# Altium PCB senocore_pcb.PcbDoc
Units mm, origin at the board's own origin, x right, y up, seen from the top; angles counter-clockwise.
Board outline 66.01 x 46.01 mm, 2 copper layers (Top Layer, Bottom Layer), stack 1.481 mm thick; 91 components, 74 nets, 361 pads, 0 vias.
Unrouted connection lines stored in the file: 238.
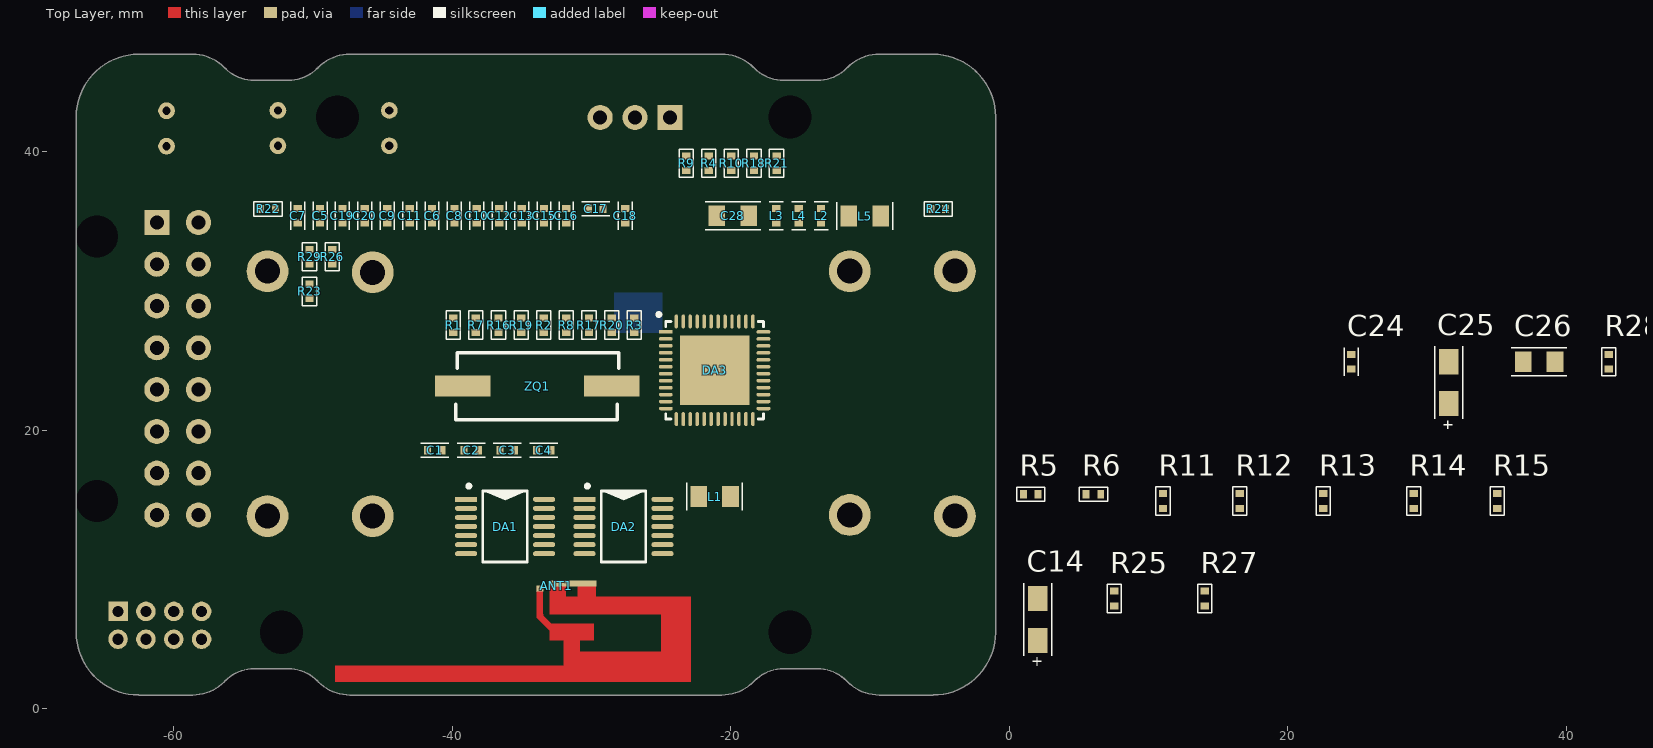
[diagram p0: Top Layer view]
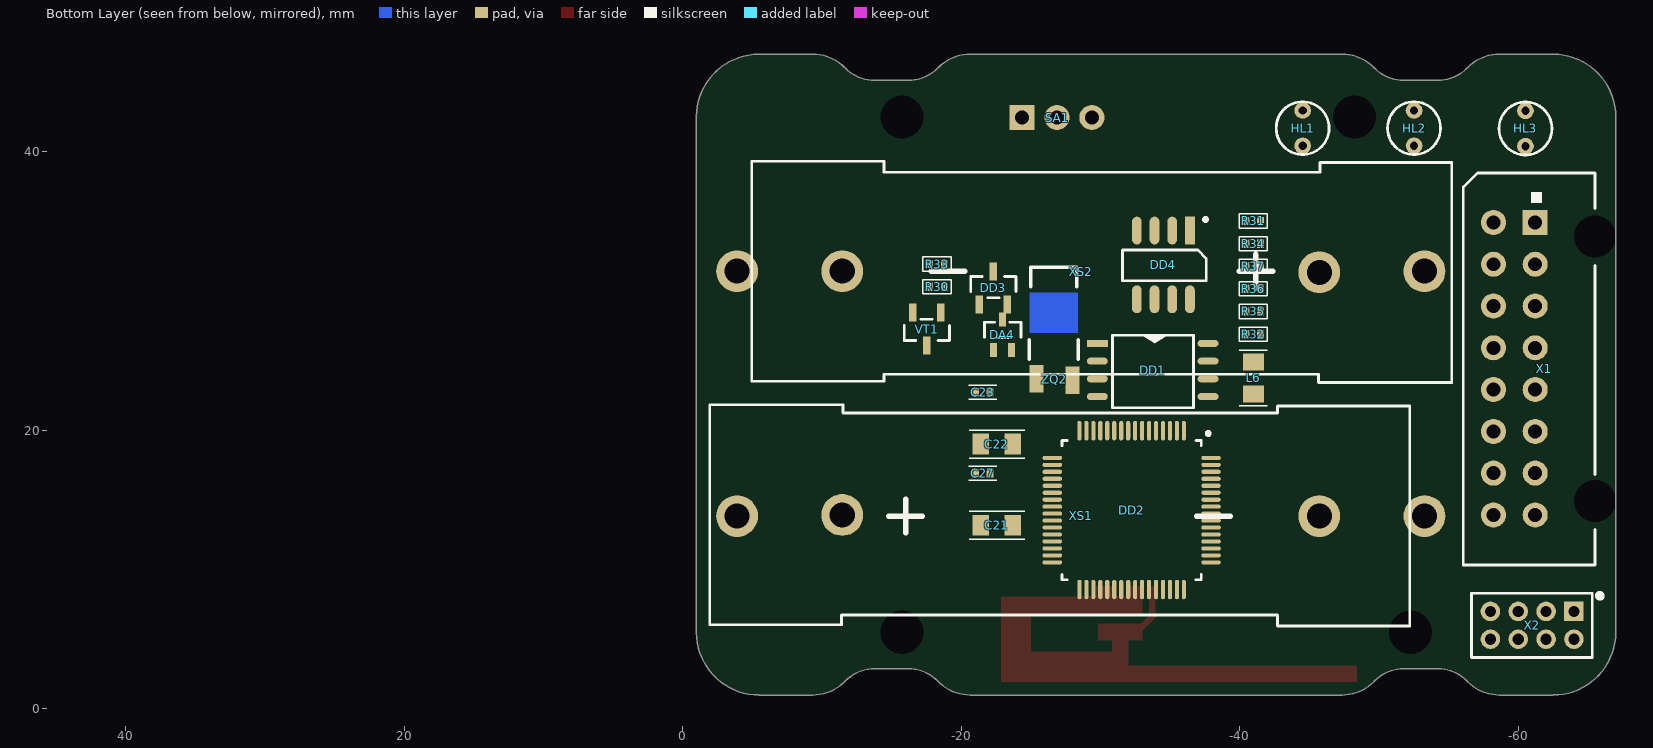
[diagram p1: Bottom Layer view, seen from below]

## Layer stack, top to bottom
Top Solder: solder mask 0.0102, Solder Resist, Dk 3.5
Top Layer: signal copper 0.0356
Dielectric 1: dielectric 1.41, FR-4, Dk 4.8
Bottom Layer: signal copper 0.0356
Bottom Solder: solder mask 0.0102, Solder Resist, Dk 3.5

## Board outline
-62.523,0.996 ccw(c-62.5,1.121) -62.5,0.994 -58.649,0.994 ccw(c-58.649,4.187) -56.391,1.929 -56.308,2.012 cw(c-56.398,2.102) -56.308,2.011 -56.308,2.012 cw(c-54.23,-0.066) -54.23,2.873 -51.77,2.873 cw(c-51.77,-0.066) -49.692,2.012 ccw(c-49.602,2.102) -49.692,2.011 -49.692,2.012 -49.609,1.929 ccw(c-47.351,4.187) -47.351,0.994 -20.649,0.994 ccw(c-20.649,4.187) -18.391,1.929 ccw(c-18.481,2.019) -18.359,1.981 ccw(c-18.398,2.102) -18.308,2.012 cw(c-16.23,-0.066) -16.23,2.873 -13.77,2.873 cw(c-13.77,-0.066) -11.692,2.012 -11.609,1.929 cw(c-11.519,2.019) -11.61,1.93 -11.609,1.929 ccw(c-9.351,4.187) -9.351,0.994 -5.5,0.994 ccw(c-5.5,1.121) -5.477,0.996 ccw(c-5.5,5.5) -0.996,5.477 ccw(c-1.121,5.5) -0.994,5.5 -0.994,42.5 ccw(c-1.121,42.5) -0.996,42.523 ccw(c-5.5,42.5) -5.477,47.004 ccw(c-5.5,46.879) -5.5,47.006 -9.351,47.006 ccw(c-9.351,43.813) -11.609,46.071 ccw(c-11.519,45.981) -11.61,46.07 -11.609,46.071 -11.692,45.988 cw(c-11.602,45.898) -11.692,45.989 -11.692,45.988 cw(c-13.77,48.066) -13.77,45.127 -16.23,45.127 cw(c-16.23,48.066) -18.308,45.988 -18.391,46.071 cw(c-18.481,45.981) -18.39,46.07 -18.391,46.071 ccw(c-20.649,43.813) -20.649,47.006 -47.351,47.006 ccw(c-47.351,43.813) -49.609,46.071 ccw(c-49.519,45.981) -49.641,46.019 ccw(c-49.602,45.898) -49.692,45.988 cw(c-51.77,48.066) -51.77,45.127 -54.23,45.127 cw(c-54.23,48.066) -56.308,45.988 -56.391,46.071 ccw(c-58.649,43.813) -58.649,47.006 -62.5,47.006 ccw(c-62.5,46.879) -62.523,47.004 ccw(c-62.5,42.5) -67.004,42.523 ccw(c-66.879,42.5) -67.006,42.5 -67.006,5.5 ccw(c-66.879,5.5) -67.004,5.477 ccw(c-62.5,5.5)

## Design rules (kind name [scope] priority, off if disabled: settings)
Clearance [All] p1: gap=0.254 ignorepadtopadclearanceinfootprint=FALSE except(0: Arc-Hole Track-Hole SMDPad-Hole THPad-Hole Via-Hole Fill-Hole Poly-Hole Region-Hole Text-Hole)
PolygonConnect [All] p1: connectstyle=Relief reliefconductorwidth=0.254 reliefentries=4 polygonreliefangle="90 Angle" airgapwidth=0.254
RoomDefinition senocore [InComponentClass('senocore')] p1: confinementstyle=ConfineIn formatcopy=TRUE lockcomponents=FALSE outline 0.03,19.922 47.53,19.922 47.53,28.921 0.03,28.921
RoomDefinition S [InComponentClass('S')] p2: confinementstyle=ConfineIn formatcopy=TRUE lockcomponents=FALSE outline 0.03,13.422 39.03,13.422 39.03,18.922 0.03,18.922
RoomDefinition R [InComponentClass('R')] p3: confinementstyle=ConfineIn formatcopy=TRUE lockcomponents=FALSE outline 0.03,2.922 18.53,2.922 18.53,11.922 0.03,11.922
RoutingVias [All] p1: holewidth=0.711 width=1.27 viastyle="Through Hole" minholewidth=0.711 minwidth=1.27 maxholewidth=0.711 maxwidth=1.27
SolderMaskExpansion [All] p1: expansion=0.102
Width [All] p1: maxlimit=0.254 minlimit=0.254 preferedwidth=0.254
30 further rules are at their usual default settings.

## Classes and differential pairs
component class S: C1 C2 C3 C4 DA1 DA2 L1 R1 R2 R3 R4 R5 R6 R7 R8 R9 R10 R11 R12 R13 R14 R15 R16 R17 R18 R19 R20 R21 R22 R23 UGO*1 UGO*2 UGO*3 UGO*4 X1
component class senocore: C21 C22 C23 C24 C25 C26 C27 C28 DA4 DD1 DD2 DD3 DD4 HL1 HL2 HL3 L6 R28 R29 R30 R31 R32 R33 R34 R35 R36 R37 SA1 VT1 X2 XS1 XS2 ZQ2
component class R: ANT1 C5 C6 C7 C8 C9 C10 C11 C12 C13 C14 C15 C16 C17 C18 C19 C20 DA3 L2 L3 L4 L5 R24 R25 R26 R27 ZQ1

## Components (designator, comment, footprint, x,y, rotation, side; value= is the part's Value field where it differs from the comment)
ANT1 "PCB ANTENNA 2.4Ghz" F-antena -33.03,8.822 r180 top
C1 "100n" CAP0402 -41.26,18.572 r0 top
C2 "100n" CAP0402 -38.652,18.572 r0 top
C3 "100n" CAP0402 -36.044,18.572 r0 top
C4 "100n" CAP0402 -33.436,18.572 r0 top
C5 "5.6p" CAP0402 -49.497,35.402 r90 top
C6 "100n" CAP0402 -41.457,35.402 r90 top
C7 "0.5p" CAP0402 -51.105,35.402 r90 top
C8 "100n" CAP0402 -39.849,35.402 r90 top
C9 "0.5p" CAP0402 -44.673,35.402 r90 top
C10 "100n" CAP0402 -38.241,35.402 r90 top
C11 "5.6p" CAP0402 -43.065,35.402 r90 top
C12 "100n" CAP0402 -36.633,35.402 r90 top
C13 "33p" CAP0402 -35.025,35.402 r90 top
C14 "10u" CapSMDA 2.03,6.422 r90 top
C15 "33p" CAP0402 -33.417,35.402 r90 top
C16 "33p" CAP0402 -31.809,35.402 r90 top
C17 "100n" CAP0402 -29.701,35.902 r0 top
C18 "100n" CAP0402 -27.593,35.402 r90 top
C19 "27p" CAP0402 -47.889,35.402 r90 top
C20 "27p" CAP0402 -46.281,35.402 r90 top
C21 "10u" CAP0805 -22.566,13.187 r0 bottom
C22 "10u" CAP0805 -22.566,19.011 r0 bottom
C23 "100n" CAP0402 -21.559,22.727 r0 bottom
C24 "100n" CAP0402 24.53,24.921 r90 top
C25 "10u" CapSMDA 31.53,23.421 r90 top
C26 "10u" CAP0805 38.03,24.921 r0 top
C27 "100n" CAP0402 -21.559,16.903 r0 bottom
C28 "10u" CAP0805 -19.857,35.402 r0 top
DA1 "OPA4376" TSSOP-14 -27.813,7.243 r0 top
DA2 "OPA4376" TSSOP-14 -19.307,7.243 r0 top
DA3 "CC2420" QLP-48 -21.169,24.312 r0 top
DA4 "2.048V" SC70-3 -22.309,25.76 r90 bottom
DD1 "M25P80V6" So-8W -29.78,26.235 r180 bottom
DD2 "M430F1611" LQFP-64 -32.243,14.27 r270 bottom
DD3 "DS2411" SOT-23-3 -22.309,30.218 r90 bottom
DD4 "SHT10" SHT1x -37.695,34.338 r270 bottom
HL1 "RED" "LED RED TH L-1394IDT" -44.519,42.965 r270 bottom
HL2 "GREEN" "LED GREEN TH L-1394GDT" -52.519,42.965 r270 bottom
HL3 "YELLOW" "LED YELLOW TH L-1394YDT" -60.519,42.941 r270 bottom
L1 "10uH" IND0805 -21.167,15.244 r0 top
L2 "7.5nH" IND0402 -13.526,35.402 r90 top
L3 "5.6nH" IND0402 -16.742,35.402 r90 top
L4 "7.5nH" IND0402 -15.134,35.402 r90 top
L5 "10uH" IND0805 -10.386,35.386 r0 top
L6 "10uH" IND0805 -40.981,23.761 r90 bottom
R1 "20K" RES0402 -39.932,27.551 r90 top
R2 "20K" RES0402 -33.436,27.551 r90 top
R3 "20K" RES0402 -26.94,27.551 r90 top
R4 "20K" RES0402 -21.591,39.171 r90 top
R5 "10K" RES0402 1.53,15.422 r0 top
R6 "10K" RES0402 6.03,15.422 r0 top
R7 "10K" RES0402 -38.308,27.551 r90 top
R8 "10K" RES0402 -31.812,27.551 r90 top
R9 "10K" RES0402 -23.215,39.171 r90 top
R10 "10K" RES0402 -19.967,39.171 r90 top
R11 "10K" RES0402 11.03,14.922 r90 top
R12 "10K" RES0402 16.53,14.922 r90 top
R13 "10K" RES0402 22.53,14.922 r90 top
R14 "10K" RES0402 29.03,14.922 r90 top
R15 "10K" RES0402 35.03,14.922 r90 top
R16 "10K" RES0402 -36.684,27.551 r90 top
R17 "10K" RES0402 -30.188,27.551 r90 top
R18 "10K" RES0402 -18.343,39.171 r90 top
R19 "20K" RES0402 -35.06,27.551 r90 top
R20 "20K" RES0402 -28.564,27.551 r90 top
R21 "20K" RES0402 -16.719,39.171 r90 top
R22 "20K" RES0402 -53.229,35.894 r0 top
R23 "20K" RES0402 -50.252,29.975 r90 top
R24 "43K" RES0402 -5.106,35.894 r0 top
R25 "0" RES0402 7.53,7.922 r90 top
R26 "750K" RES0402 -48.628,32.465 r90 top
R27 "750K" RES0402 14.03,7.922 r90 top
R28 "1" RES0402 43.03,24.921 r90 top
R29 "470" RES0402 -50.252,32.465 r90 top
R30 "100K" RES0402 -18.273,30.312 r180 bottom
R31 "10K" RES0402 -40.981,35.029 r0 bottom
R32 "2.2K" RES0402 -40.981,26.909 r0 bottom
R33 "10K" RES0402 -18.273,31.936 r180 bottom
R34 "10K" RES0402 -40.981,33.405 r0 bottom
R35 "470" RES0402 -40.981,28.533 r0 bottom
R36 "220" RES0402 -40.981,30.157 r0 bottom
R37 "100" RES0402 -40.981,31.781 r0 bottom
SA1 "MSK-12D19" "MSK-12D19 SPDT" -24.385,42.458 r180 bottom
VT1 "IRLML5103" SOT-23-3 -17.539,27.271 r270 bottom
X1 "Microfit3.0 16 pins R thru hole" MICROFIT30_16 -58.217,34.923 r180 bottom
X2 "DS-1026-06 2X4" "PBD2-8 2MM" -64,7 r270 bottom
XS1 "Keystone AA Battery Clip" "KEYSTONE AA CLIPS" -3.917,13.842 r180 bottom
XS2 "Keystone AA Battery Clip" "KEYSTONE AA CLIPS" -53.267,31.423 r0 bottom
ZQ1 "16.000M" HC49SMD -46.254,32.469 r0 top
ZQ2 "32.768K" DT-26 -26.503,28.198 r270 bottom

## Footprints (in the part's own frame and the unit in brackets; to place one, negate y for a bottom-side part, rotate by r counter-clockwise, add the part's x,y. Pads: shape width x height; smd on the part's side, far side on the other; paste and mask are expansions set on the pad)
CAP0402 [mm]
  rect 0.5x0.6 smd: 1(-0.525,0) 2(0.525,0)
  silkscreen extent -1,-0.5 1,0.5, body extent -0.5,-0.25 0.5,0.25, height 0.5
CAP0805 [mm]
  rect 1.2x1.5 smd: 1(-1.148,0) 2(1.148,0)
  silkscreen extent -2,-1 2,1, body extent -1,-0.6 1,0.65, height 0.78
CapSMDA [mm]
  rect 1.8x1.4 smd: 1(-1.5,0) 2(1.5,0)
  silkscreen extent -3.33,-1 2.6,1, body extent -1.82,-0.9 1.82,0.9, height 1.81
DT-26 [mm] "L=6mm D=2mm"
  rect 2x1 smd: 1(4.6,1.5) 2(4.5,-1.1)
  Top Layer region: -1.7,1.9 1.228,1.9 1.228,-1.6 -1.7,-1.6
  silkscreen extent -3.5,-1.6 3.1,1.9, body extent -3.39,-1.36 5.59,1.7, height 2
F-antena [mm] "2.4 Ghz fow zigbee"
  rect 0.5x0.4 smd: 1(0.686,0.178)
  rect 3.4x0.4 smd: 2(-1.676,-0.178)
  Top Layer region: -0.037,3.238 -0.362,2.913 0.45,2.1 0.775,2.425
  Top Layer region: -8,4.7 -2.2,4.7 -2.2,5.7 -8,5.7
  Top Layer region: -2.2,3.9 -1,3.9 -1,5.7 -2.2,5.7
  Top Layer region: -10.18,5.7 15.4,5.7 15.4,6.91 -10.18,6.91
  Top Layer region: -10.18,0.74 -8,0.74 -8,5.7 -10.18,5.7
  Top Layer region: -8,0.74 0,0.74 0,2.03 -8,2.03
  Top Layer region: -3.2,2.69 0,2.69 0,3.9 -3.2,3.9
  Top Layer region: -1.2,0 0,0 0,0.74 -1.2,0.74
  Top Layer region: -3.35,0 -2,0 -2,0.74 -3.35,0.74
  Top Layer region: 0.45,0 0.91,0 0.91,2.1 0.45,2.1
  Top Layer region: 0.45,2.03 0.45,2.1 0.775,2.425 0.91,2.291 0.91,2.03
HC49SMD [mm]
  rect 4x1.5 smd: 1(7,-9.3) 2(17.7,-9.3)
  silkscreen extent 6.5,-11.7 18.2,-6.9, body extent 5.8,-11.7 19,-6.9, height 4.3
IND0402 [mm]
  rect 0.5x0.6 smd: 1(-0.525,0) 2(0.525,0)
  silkscreen extent -1,-0.5 1,0.5, body extent -0.5,-0.25 0.5,0.25, height 0.5
IND0805 [mm]
  rect 1.2x1.5 smd: 1(-1.148,0) 2(1.148,0)
  silkscreen extent -2,-1 2,1, body extent -1.05,-0.75 1.05,0.75, height 1.9
"KEYSTONE AA CLIPS" [mm]
  round 3 hole 1.8: 0(7.55,0.081) 0(41.8,0) 1(0,0) 2(49.35,0)
  silkscreen extent -1.96,-7.9 48.3,8, body extent -1.97,-7.92 51.11,8, height 17.25
"LED GREEN TH L-1394GDT" [mm]
  round 1.2 hole 0.6: 1(0,0) 2(2.54,0)
  silkscreen extent -0.63,-1.9 3.17,1.9, body extent -0.42,-1.73 2.88,1.57, height 20.31
"LED RED TH L-1394IDT" [mm]
  round 1.2 hole 0.6: 1(0,0) 2(2.54,0)
  silkscreen extent -0.63,-1.9 3.17,1.9, body extent -0.42,-1.73 2.88,1.57, height 20.31
"LED YELLOW TH L-1394YDT" [mm]
  round 1.2 hole 0.6: 1(0,0) 2(2.54,0)
  silkscreen extent -0.63,-1.9 3.17,1.9, body extent -0.42,-1.73 2.88,1.57, height 20.31
LQFP-64 [mm] "LQFP, 64-Leads, Body 10,00x10,00mm, Pitch 0,50mm, IPC Medium Density"
  oval 1.4x0.3 smd: 1(-5.7,3.75) 2(-5.7,3.25) 3(-5.7,2.75) 4(-5.7,2.25) 5(-5.7,1.75) 6(-5.7,1.25) 7(-5.7,0.75) 8(-5.7,0.25) 9(-5.7,-0.25) 10(-5.7,-0.75) 11(-5.7,-1.25) 12(-5.7,-1.75) 13(-5.7,-2.25) 14(-5.7,-2.75) 15(-5.7,-3.25) 16(-5.7,-3.75) 33(5.7,-3.75) 34(5.7,-3.25) 35(5.7,-2.75) 36(5.7,-2.25) 37(5.7,-1.75) 38(5.7,-1.25) 39(5.7,-0.75) 40(5.7,-0.25) 41(5.7,0.25) 42(5.7,0.75) 43(5.7,1.25) 44(5.7,1.75) 45(5.7,2.25) 46(5.7,2.75) 47(5.7,3.25) 48(5.7,3.75)
  oval 0.3x1.4 smd: 17(-3.75,-5.7) 18(-3.25,-5.7) 19(-2.75,-5.7) 20(-2.25,-5.7) 21(-1.75,-5.7) 22(-1.25,-5.7) 23(-0.75,-5.7) 24(-0.25,-5.7) 25(0.25,-5.7) 26(0.75,-5.7) 27(1.25,-5.7) 28(1.75,-5.7) 29(2.25,-5.7) 30(2.75,-5.7) 31(3.25,-5.7) 32(3.75,-5.7) 49(3.75,5.7) 50(3.25,5.7) 51(2.75,5.7) 52(2.25,5.7) 53(1.75,5.7) 54(1.25,5.7) 55(0.75,5.7) 56(0.25,5.7) 57(-0.25,5.7) 58(-0.75,5.7) 59(-1.25,5.7) 60(-1.75,5.7) 61(-2.25,5.7) 62(-2.75,5.7) 63(-3.25,5.7) 64(-3.75,5.7)
  silkscreen extent -5.62,-5 5,5.62, body extent -6,-6 6,6, height 1.6
MICROFIT30_16 [mm]
  round 0 hole 3 unplated: 0(7.29,-19.99) 0(7.29,-1.016)
  rect 1.8x1.8 hole 1: 1(3,0)
  round 1.8 hole 1: 2(3,-3) 3(3,-6) 4(3,-9) 5(3,-12) 6(3,-15) 7(3,-18) 8(3,-21) 9(0,0) 10(0,-3) 11(0,-6) 12(0,-9) 13(0,-12) 14(0,-15) 15(0,-18) 16(0,-21)
  silkscreen extent -2.16,-24.59 7.29,3.56, body extent -0.29,-24.57 11.95,3.57, height 8.83
"MSK-12D19 SPDT" [mm]
  rect 1.8x1.8 hole 1: 1(0,0)
  round 1.8 hole 1: 2(2.5,0) 3(5,0)
  body extent -2.53,-2.06 7.67,4.44, height 5.15
"PBD2-8 2MM" [mm]
  rect 1.4x1.4 hole 0.8: 1(0,0)
  round 1.4 hole 0.8: 2(2,0) 3(0,-2) 4(2,-2) 5(0,-4) 6(2,-4) 7(0,-6) 8(2,-6)
  silkscreen extent -1.3,-7.37 3.3,1.95, body extent -0.99,-6.98 3.01,1.02, height 4.7
QLP-48 [mm] "LQFP-48, 48-Leads, Body 7,00x7,00mm, Pitch 0,50mm"
  rect 1x0.25 smd: 1(-3.505,2.753)
  oval 1x0.25 smd: 2(-3.505,2.253) 3(-3.505,1.753) 4(-3.505,1.253) 5(-3.505,0.753) 6(-3.505,0.253) 7(-3.505,-0.247) 8(-3.505,-0.747) 9(-3.505,-1.247) 10(-3.505,-1.747) 11(-3.505,-2.247) 12(-3.505,-2.747) 25(3.505,-2.747) 26(3.505,-2.247) 27(3.505,-1.747) 28(3.505,-1.247) 29(3.505,-0.747) 30(3.505,-0.247) 31(3.505,0.253) 32(3.505,0.753) 33(3.505,1.253) 34(3.505,1.753) 35(3.505,2.253) 36(3.505,2.753)
  oval 0.25x1 smd: 13(-2.75,-3.503) 14(-2.25,-3.503) 15(-1.75,-3.503) 16(-1.25,-3.503) 17(-0.75,-3.503) 18(-0.25,-3.503) 19(0.25,-3.503) 20(0.75,-3.503) 21(1.25,-3.503) 22(1.75,-3.503) 23(2.25,-3.503) 24(2.75,-3.503) 37(2.75,3.503) 38(2.25,3.503) 39(1.75,3.503) 40(1.25,3.503) 41(0.75,3.503) 42(0.25,3.503) 43(-0.25,3.503) 44(-0.75,3.503) 45(-1.25,3.503) 46(-1.75,3.503) 47(-2.25,3.503) 48(-2.75,3.503)
  rect 5x5 smd: 49(0,0.002)
  silkscreen extent -4.13,-3.5 3.51,4.13, body extent -3.51,-3.5 3.51,3.5, height 0.83
RES0402 [mm] "Chip Resistor, 2-Leads, Body 2,0x1,3mm, IPC Medium Density"
  rect 0.5x0.6 smd: 1(-0.525,0) 2(0.525,0)
  silkscreen extent -1.02,-0.51 1.02,0.51, body extent -0.5,-0.25 0.5,0.25, height 0.5
SC70-3 [mm]
  rect 1x0.5 smd: 1(0,0) 2(0,-1.3) 3(2.2,-0.65)
  silkscreen extent 0.89,-1.99 2,0.63, body extent -0.1,-1.7 2.2,0.4, height 1
SHT1x [mm]
  rect 2x0.7 smd: 1(0,-1.27)
  oval 2x0.7 smd: 2(0,-2.54) 3(0,-3.81) 4(0,-5.08) NC(4.93,-5.08) NC(4.93,-3.81) NC(4.93,-2.54) NC(4.93,-1.27)
  silkscreen extent -0.92,-6.1 3.6,-0.02, body extent 0,-6.94 4.93,0.53, height 2.45
So-8W [mm] "208mils"
  rect 1.5x0.5 smd: 1(0,0)
  oval 1.5x0.5 smd: 2(0,-1.27) 3(0,-2.54) 4(0,-3.81) 5(7.95,-3.81) 6(7.95,-2.54) 7(7.95,-1.27) 8(7.95,0)
  silkscreen extent 1.09,-4.61 6.91,0.59, body extent 0.04,-4.54 7.94,0.76, height 1.95
SOT-23-3 [mm]
  rect 1.3x0.55 smd: 1(-1.175,1.001) 2(-1.175,-1.001) 3(1.175,0)
  silkscreen extent -0.7,-1.63 0.83,1.63, body extent -1.27,-1.5 1.27,1.5, height 1.1
TSSOP-14 [mm] "TSOP, 14-Leads, Body 5,00x4,40mm, Pitch 0,65mm, IPC Medium Density"
  rect 1.6x0.35 smd: 1(-11.2,7.8)
  oval 1.6x0.35 smd: 2(-11.2,7.15) 3(-11.2,6.5) 4(-11.2,5.85) 5(-11.2,5.2) 6(-11.2,4.55) 7(-11.2,3.9) 8(-5.6,3.9) 9(-5.6,4.55) 10(-5.6,5.2) 11(-5.6,5.85) 12(-5.6,6.5) 13(-5.6,7.15) 14(-5.6,7.8)
  silkscreen extent -11.12,3.3 -6.8,8.87, body extent -11.6,3.3 -5.2,8.4, height 1.2

## Part data
ANT1: "PCB antenna 2.4Ghz"
C1 C2 C3 C4 C6 C8 C10 C12 C17 C18 C23 C24 C27: library part "100n SMD 0402", "0402 SMD"
C5 C11: library part "5.6p SMD 0402", "+/- 0.25pF NP0 SMD 0402", PartNumber=CC0402CRNPO9BN5R6, Supplier=Terraelectronica, Unit Price=0.27, WebLink=https://www.terraelectronica.ru/product/980955
C7 C9: library part "0.5p SMD 0402", "+/- 0.25pF NP0 SMD 0402", PartNumber=GRM1555C1HR50BA01D, Supplier=Terraelectronica, Unit Price=0.69, WebLink=https://www.terraelectronica.ru/product/817877
C13 C15 C16: library part "33p SMD 0402", "0402 SMD", PartNumber=CC0402JRNPO9BN330, Supplier=Terraelectronica, Unit Price=0.24, WebLink=https://www.terraelectronica.ru/product/367363
C14 C25: library part "10u SMD TYPE A", "SMD TYPE A"
C19 C20: library part "27p SMD 0402", "0402 SMD", PartNumber=CL05C270JB5NNNC, Supplier=Terraelectronica, Unit Price=0.24, WebLink=https://www.terraelectronica.ru/product/863257
C21 C22 C26 C28: library part "10u SMD 0805", "0805 SMD"
DA1 DA2: "Opamp  2.2-5.5 V, Offset 5?V"
DA3: "2.4 GHz transiver", PartNumber=CC2420RGZR, Supplier=Terraelectronica, Unit Price=439, WebLink=https://www.terraelectronica.ru/catalog/integralnye-mikroshemy-dlya-radiosvyazi-274?text=cc2420&search=cc2420
DA4: library part REF3320, "Reference 2.048V", PartNumber="REF3318AIDCKR, REF3318AIDCKT", Supplier=Terrraelectronica, Unit Price=67, WebLink=https://www.terraelectronica.ru/catalog/istochniki-opornogo-napryazheniya-i-toka-256?text=ref3320&search=ref3320
DD1: "Serial memory 2.7-3.6V, 8 Mbit (1 Mbyte)", PartNumber=M25P80-VMW, Supplier=Chipdip, Unit Price=130, WebLink=https://www.chipdip.ru/product1/8344124196
DD2: "MCU", PartNumber=MSP430F1611IPM, Supplier=Terraelectronica, Unit Price=1480, WebLink=https://www.terraelectronica.ru/product/67958
DD3: "Unic 48bit serial code. Family code 0x01", PartNumber=DS2411R+T&R, Supplier=Chipdip, Unit Price=130, WebLink=https://www.chipdip.ru/product/ds2411r-t-r-2
DD4: "Temp and hum sensor", PartNumber=SHT10, Supplier=Terraelectronica, Unit Price=998, WebLink=https://www.terraelectronica.ru/product/325109
HL1: library part "LED Flat top RED TH 3.4mm/2mm", "10 mA, V=2.5 V", PartNumber=L-1394IDT, Supplier=Chipdip, Unit Price=8, WebLink=https://www.chipdip.ru/product/l-1394id-t
HL2: library part "LED Flat top GREEN TH 3.4mm/2mm", "10 mA, V=2.5 V", PartNumber=L-1394GDT, Supplier=Chipdip, Unit Price=8, WebLink=https://www.chipdip.ru/product/l-1394gd-t
HL3: library part "LED Flat top YELLOW TH 3.4mm/2mm", "10 mA, V=2.5 V", PartNumber=L-1394YDT, Supplier=Chipdip, Unit Price=8, WebLink=https://www.chipdip.ru/product/l-1394yd-t
L1 L5 L6: library part "IND 10uH SMD 0805", "0805 SMD", PartNumber=LQM21FN100M80L, Supplier=Terraelectronica, Unit Price=4.4, WebLink=https://www.terraelectronica.ru/product/1496283
L2 L4: library part "IND 7.5nH SMD 0402", "SMD 0402 5%", PartNumber=LQG15HS7N5J02D, Supplier=Terraelectronica, Unit Price=1.1, WebLink=https://www.terraelectronica.ru/product/574342
L3: library part "IND 5.6nH SMD 0402", "SMD 0402 5%", PartNumber=LQG15HS5N6S02D, Supplier=Terraelectronica, Unit Price=1.1, WebLink=https://www.terraelectronica.ru/product/867408
R1 R2 R3 R4 R19 R20 R21 R22 R23: library part "20K 1% SMD 0402", "1% 0402 SMD 0.063W", PartNumber=RC0402FR-0720KL, Supplier=Terraelectronicac, Unit Price=0.11, WebLink=https://www.terraelectronica.ru/product/506449
R5 R6 R7 R8 R9 R10 R11 R12 R13 R14 R15 R16 R17 R18 R31 R33 R34: library part "10K 1% SMD 0402", "1% 0402 SMD 0.063W", PartNumber=RC0402FR-0710KL, Supplier=Terraelectronica, Unit Price=0.1, WebLink=tps://www.terraelectronica.ru/product/358779
R24: library part "43K 1% SMD 0402", "1% 0402 SMD 0.063W", PartNumber=RC0402FR-0743KL, Supplier=Terraelectronica, Unit Price=0.11, WebLink=https://www.terraelectronica.ru/product/870768
R25: library part "0R 1% SMD 0402", "1% 0402 SMD 0.063W", PartNumber=RC0402FR-071RL, Supplier=Terraelectronica, Unit Price=0.1, WebLink=https://www.terraelectronica.ru/product/870639
R26 R27: library part "750K 1% SMD 0402", "1% 0402 SMD 0.063W"
R28: library part "1R 1% SMD 0402", "1% 0402 SMD 0.063W", PartNumber=RC0402FR-071RL, Supplier=Terraelectronica, Unit Price=0.1, WebLink=https://www.terraelectronica.ru/product/870639
R29 R35: library part "470R 1% SMD 0402", "1% 0402 SMD 0.063W", PartNumber=RC0402FR-07470RL, Supplier=Terraelectronica, Unit Price=0.1, WebLink=https://www.terraelectronica.ru/product/870778
R30: library part "100K 1% SMD 0402", "1% 0402 SMD 0.063W", PartNumber=RC0402FR-07100KL, Supplier=Terraelectronica, Unit Price=0.1, WebLink=https://www.terraelectronica.ru/product/791988
R32: library part "2.2K 1% SMD 0402", "1% 0402 SMD 0.063W", PartNumber=RC0402FR-072K2L, Supplier=Terraelectronica, Unit Price=0.11, WebLink=https://www.terraelectronica.ru/product/560314
R36: library part "220R 1% SMD 0402", "1% 0402 SMD 0.063W", PartNumber=RC0402FR-07220RL, Supplier=Terraelectronica, Unit Price=0.1, WebLink=https://www.terraelectronica.ru/product/870650
R37: library part "100R 1% SMD 0402", "1% 0402 SMD 0.063W", PartNumber=RC0402FR-07100RL, Supplier=Terraelectronica, Unit Price=0.11, WebLink=https://www.terraelectronica.ru/product/361823
SA1: library part "SPD 3 pin MSK-12D19", "Slide switch 3 pin", PartNumber=MSK-12D19
VT1: "p-mosfet   -30V 0.76A Vgs=-1V", PartNumber=IRLML5103TRPBF, Supplier=Chipidipc, Unit Price=9, WebLink=https://www.chipdip.ru/product/irlml5103tr
X1: "Step 3mm, dual row 16 pins, thru hole", PartNumber="43045-1601 molex", Supplier=Chipdip, Unit Price=450, WebLink=https://www.chipdip.ru/product/43045-1601
X2: library part "PBD2-8 step 2mm", "Step 2mm 2x4 height 4.3mm"
XS1 XS2: "Button Contact", WebLink=https://uk.rs-online.com/web/p/battery-holders-mounts/1726012/
ZQ1: library part "ZQ 16.000M 12pF 20ppm", "Load 12pF 20ppm", PartNumber=16.000MHzHC-49SM, Supplier=Chipdip, Unit Price=15, WebLink=https://www.chipdip.ru/product/16mhz-hc-49sm?from=suggest_product
ZQ2: library part "ZQ 32.768K 12.5pF 20ppm", "Load 12.5pF 20ppm", PartNumber=32768Hz(2x6mm), Supplier=Chipdip, Unit Price=12, WebLink=https://www.chipdip.ru/product/32768hz-2x6mm

## Free pads (board coordinates)
  round 0 hole 3.1 unplated: npth(-52.254,5.5) npth(-48.254,42.5) npth(-15.746,5.5) npth(-15.745,42.5)

## Nets (pads, with @x,y where several pads share a name; then routed paths per layer and width w, separated by ;. In a path a pad name is that pad's centre, name@x,y a point inside that pad or via, vN(x,y) a via of type N, cw(c..) or ccw(c..) an arc to the next point about the centre after c; other vN are vias at no path point)
1WIRE: DD2.24 DD3.1 R32.1
#HOLD: DD1.7 DD2.43
AIN_1: DA1.1 DD2.5 R7.1
AIN_2: DA1.7 DD2.59 R8.1
AIN_3: DA1.8 DD2.60 R17.2
AIN_4: DA1.14 DD2.61 R16.2
AIN_5: DA2.1 DD2.2 R9.1
AIN_6: DA2.7 DD2.3 R10.1
AIN_7: DA2.8 DD2.4 R18.2
CC2420_CSn: DA3.31 DD2.38
CC2420_nRST: DA3.21 DD2.42 R27.1
CC2420_VREG: DA3.41 DD2.41 R26.1
CCA: DA3.28 DD2.16
COM-REF: DA2.13 DA2.14 R1.2 R2.2 R3.2 R4.2 R19.1 R20.1 R21.1
FET_ON: DD2.23 R29.1
FIFO: DA3.30 DD2.15
FIFOP: DA3.29 DD2.12
GND: ANT1.2 C1.2 C2.2 C3.2 C4.2 C6.2 C8.2 C9.2 C10.2 C11.2 C12.2 C13.2 C14.2 C15.2 C16.2 C17.2 C18.2 C19.2 C20.2 C21.2 C22.2 C23.2 C24.2 C25.2 C26.2 C27.2 C28.2 DA1.11 DA2.11 DA3.5 DA3.9 DA3.19 DA3.22 DA3.23 DA3.24 DA3.49 DA4.3 DD1.4 DD2.11 DD2.53 DD2.62 DD2.63 DD3.3 DD4.1 R5.2 R6.2 R11.2 R12.2 R13.2 R14.2 R15.2 R23.2 R24.1 R26.2 X2.7 XS2.2
LED_BLUE: DD2.50 R37.2
LED_GREEN: DD2.49 R36.2
LED_RED: DD2.48 R35.2
NetANT1_1: ANT1.1 C5.1
NetC5_2: C5.2 C7.1 L2.1
NetC7_2: C7.2 DA3.6 L3.2 L4.2
NetC9_1: C9.1 DA3.8 L2.2 L4.1
NetC11_1: C11.1 DA3.7 L3.1
NetC19_1: C19.1 DA3.38 ZQ1.2
NetC20_1: C20.1 DA3.39 ZQ1.1
NetDA1_2: DA1.2 R1.1 R7.2
NetDA1_6: DA1.6 R2.1 R8.2
NetDA1_9: DA1.9 R17.1 R20.2
NetDA1_13: DA1.13 R16.1 R19.2
NetDA2_2: DA2.2 R3.1 R9.2
NetDA2_6: DA2.6 R4.1 R10.2
NetDA2_9: DA2.9 R18.1 R21.2
NetDA2_12: DA2.12 R22.2 R23.1
NetDA3_42: DA3.42 R25.2
NetDA3_45: DA3.45 R24.2
NetDD2_8: DD2.8 ZQ2.2
NetDD2_9: DD2.9 ZQ2.1
NetDD2_54: DD2.54 X2.5
NetDD2_55: DD2.55 X2.4
NetDD2_56: DD2.56 X2.3
NetDD2_57: DD2.57 X2.2
NetDD2_58: DD2.58 R30.1 X2.1
NetHL1_2: HL1.2 R35.1
NetHL2_2: HL2.2 R36.1
NetHL3_2: HL3.2 R37.1
NetR28_1: R28.1 VT1.3
NetR29_2: R29.2 VT1.1
NetSA1_2: SA1.2 XS1.1
NetXS1_2: XS1.2 XS2.1
RADIO-AVDD: C6.1 C8.1 C10.1 C12.1 C13.1 C14.1 C15.1 C16.1 DA3.1 DA3.2 DA3.3 DA3.4 DA3.10 DA3.14 DA3.15 DA3.17 DA3.18 DA3.20 DA3.26 DA3.35 DA3.37 DA3.44 DA3.48 R25.1
RADIO-VDD: C18.1 DA3.25 DA3.43 L5.2 R27.2
S#: DD1.1 DD2.40
SCLK: DA3.32 DD1.6 DD2.31
SFD: DA3.27 DD2.37
SH_DTA: DD2.17 DD4.2 R34.2
SH_SCL: DD2.18 DD4.3
SH_VDD: C23.1 DD2.19 DD4.4 R34.1
SI: DA3.33 DD1.5 DD2.29 R33.2
SO: DA3.34 DD1.2 DD2.30 R31.2
SW-VCC: C1.1 C2.1 C21.1 DA1.4 DA2.4 DA4.1 R28.2
TEMP-1: DA1.3 R15.1 X1.1
TEMP-2: DA1.5 R14.1 X1.2
TEMP-3: DA1.10 R13.1 X1.3
TEMP-4: DA1.12 R12.1 X1.4
TEMP-5: DA2.3 R11.1 X1.5
TEMP-6: DA2.5 R6.1 X1.6
TEMP-7: DA2.10 R5.1 X1.7
VBAT: C17.1 C26.1 L5.1 L6.1 SA1.1 VT1.2
VDD: C25.1 C27.1 C28.1 DD1.3 DD1.8 DD2.1 DD2.64 DD3.2 HL1.1 HL2.1 HL3.1 L6.2 R30.2 R31.1 R32.2 R33.1 X2.8
VREF_2.048: C3.1 C22.1 C24.1 DA4.2 DD2.10 L1.1
VREF_2.048_FILT: C4.1 L1.2 R22.1 X1.9 X1.10 X1.11 X1.12 X1.13 X1.14 X1.15
pads on no net: DA3.11 DA3.12 DA3.13 DA3.16 DA3.36 DA3.40 DA3.46 DA3.47 DD2.6 DD2.7 DD2.13 DD2.14 DD2.20 DD2.21 DD2.22 DD2.25 DD2.26 DD2.27 DD2.28 DD2.32 DD2.33 DD2.34 DD2.35 DD2.36 DD2.39 DD2.44 DD2.45 DD2.46 DD2.47 DD2.51 DD2.52 DD4.NC SA1.3 X1.0 X1.8 X1.16 X2.6 XS1.0 XS2.0

## Silkscreen, mask and mechanical layers (free items; w line width, h text height)
Mechanical 1:
  lines w0.25: -160.132,3.793 ccw(c-155.754,3.793) -155.754,-0.586 ; -160.132,40.793 cw(c-155.754,40.793) -155.754,45.172 ; -98.754,-0.586 ccw(c-98.754,3.793) -94.375,3.793 ; -98.754,45.172 cw(c-98.754,40.793) -94.375,40.793 ; -66.879,5.5 ccw(c-62.5,5.5) -62.5,1.121 ; -66.879,42.5 cw(c-62.5,42.5) -62.5,46.879 ; -5.5,1.121 ccw(c-5.5,5.5) -1.121,5.5 ; -5.5,46.879 cw(c-5.5,42.5) -1.121,42.5
  lines w0.254: -160.132,3.793 -160.132,40.793 ; -155.754,-0.586 -151.902,-0.586 ccw(c-151.902,2.48) -149.734,0.312 -149.652,0.395 cw(c-147.484,-1.773) -147.484,1.293 -146.254,1.293 -145.024,1.293 cw(c-145.024,-1.773) -142.855,0.395 -142.773,0.312 ccw(c-140.605,2.48) -140.605,-0.586 -113.902,-0.586 ccw(c-113.902,2.48) -111.734,0.312 ; -155.754,45.172 -151.902,45.172 cw(c-151.902,42.106) -149.734,44.274 -149.652,44.191 ccw(c-147.484,46.359) -147.484,43.293 -146.254,43.293 -145.024,43.293 ccw(c-145.024,46.359) -142.855,44.191 ; -147.507,3.793 -145.507,3.793 ; -145.507,1.793 -145.507,3.793 ; -145.507,5.793 -145.507,3.793 ; -143.507,3.793 -145.507,3.793 ; -143.507,40.793 -141.507,40.793 ; -142.773,44.274 cw(c-140.605,42.106) -140.605,45.172 -113.902,45.172 cw(c-113.902,42.106) -111.734,44.274 -111.652,44.191 ccw(c-109.484,46.359) -109.484,43.293 -108.254,43.293 -107.024,43.293 ccw(c-107.024,46.359) -104.855,44.191 -104.773,44.274 cw(c-102.605,42.106) -102.605,45.172 -98.754,45.172 ; -141.507,38.793 -141.507,40.793 ; -141.507,42.793 -141.507,40.793 ; -139.507,40.793 -141.507,40.793 ; -111.652,0.395 cw(c-109.484,-1.773) -109.484,1.293 -108.254,1.293 -107.024,1.293 cw(c-107.024,-1.773) -104.855,0.395 -104.773,0.312 ccw(c-102.605,2.48) -102.605,-0.586 -98.754,-0.586 ; -111,3.793 -109,3.793 ; -110.998,40.793 -108.998,40.793 ; -109,1.793 -109,3.793 ; -109,5.793 -109,3.793 ; -108.998,38.793 -108.998,40.793 ; -108.998,42.793 -108.998,40.793 ; -107,3.793 -109,3.793 ; -106.998,40.793 -108.998,40.793 ; -94.375,3.793 -94.375,40.793 ; -66.879,5.5 -66.879,42.5 ; -62.5,1.121 -58.649,1.121 ccw(c-58.649,4.187) -56.481,2.019 -56.398,2.102 cw(c-54.23,-0.066) -54.23,3 -53,3 -51.77,3 cw(c-51.77,-0.066) -49.602,2.102 -49.519,2.019 ccw(c-47.351,4.187) -47.351,1.121 -20.649,1.121 ccw(c-20.649,4.187) -18.481,2.019 ; -62.5,46.879 -58.649,46.879 cw(c-58.649,43.813) -56.481,45.981 -56.398,45.898 ccw(c-54.23,48.066) -54.23,45 -53,45 -51.77,45 ccw(c-51.77,48.066) -49.602,45.898 ; -54.254,5.5 -52.254,5.5 ; -52.254,3.5 -52.254,5.5 ; -52.254,7.5 -52.254,5.5 ; -50.254,5.5 -52.254,5.5 ; -50.254,42.5 -48.254,42.5 ; -49.519,45.981 cw(c-47.351,43.813) -47.351,46.879 -20.649,46.879 cw(c-20.649,43.813) -18.481,45.981 -18.398,45.898 ccw(c-16.23,48.066) -16.23,45 -15,45 -13.77,45 ccw(c-13.77,48.066) -11.602,45.898 -11.519,45.981 cw(c-9.351,43.813) -9.351,46.879 -5.5,46.879 ; -48.254,40.5 -48.254,42.5 ; -48.254,44.5 -48.254,42.5 ; -46.254,42.5 -48.254,42.5 ; -18.398,2.102 cw(c-16.23,-0.066) -16.23,3 -15,3 -13.77,3 cw(c-13.77,-0.066) -11.602,2.102 -11.519,2.019 ccw(c-9.351,4.187) -9.351,1.121 -5.5,1.121 ; -17.746,5.5 -15.746,5.5 ; -17.745,42.5 -15.745,42.5 ; -15.746,3.5 -15.746,5.5 ; -15.746,7.5 -15.746,5.5 ; -15.745,40.5 -15.745,42.5 ; -15.745,44.5 -15.745,42.5 ; -13.746,5.5 -15.746,5.5 ; -13.745,42.5 -15.745,42.5 ; -1.121,5.5 -1.121,42.5
Mechanical 13:
  circle w0.125: c-34,24 r0.062
  lines w0.25: -44,24 -34,24 ; -34,14 -34,24 ; -34,34 -34,24 ; -24,24 -34,24
Mechanical 29:
  circle w0.25: c-15.746,42.5 r1.5
  circle w0.25: c-48.254,42.5 r1.5
  circle w0.25: c-52.254,5.5 r1.5
  circle w0.25: c-15.746,5.5 r1.448
  lines w0.25: -55.5,-1.055 -50.5,-1.055 -50.5,0.982 -55.5,0.982 -55.5,-1.055 ; -55.5,47.018 -55.5,49.055 -50.5,49.055 -50.5,47.018 -55.5,47.018 ; -17.5,-1.055 -12.5,-1.055 -12.5,0.982 -17.5,0.982 -17.5,-1.055 ; -17.5,47.018 -17.5,49.055 -12.5,49.055 -12.5,47.018 -17.5,47.018
Mechanical 30:
  circle w0.25: c-44.519,41.695 r1.85